# KiCad board Thermal_Camera.kicad_pcb (continued)
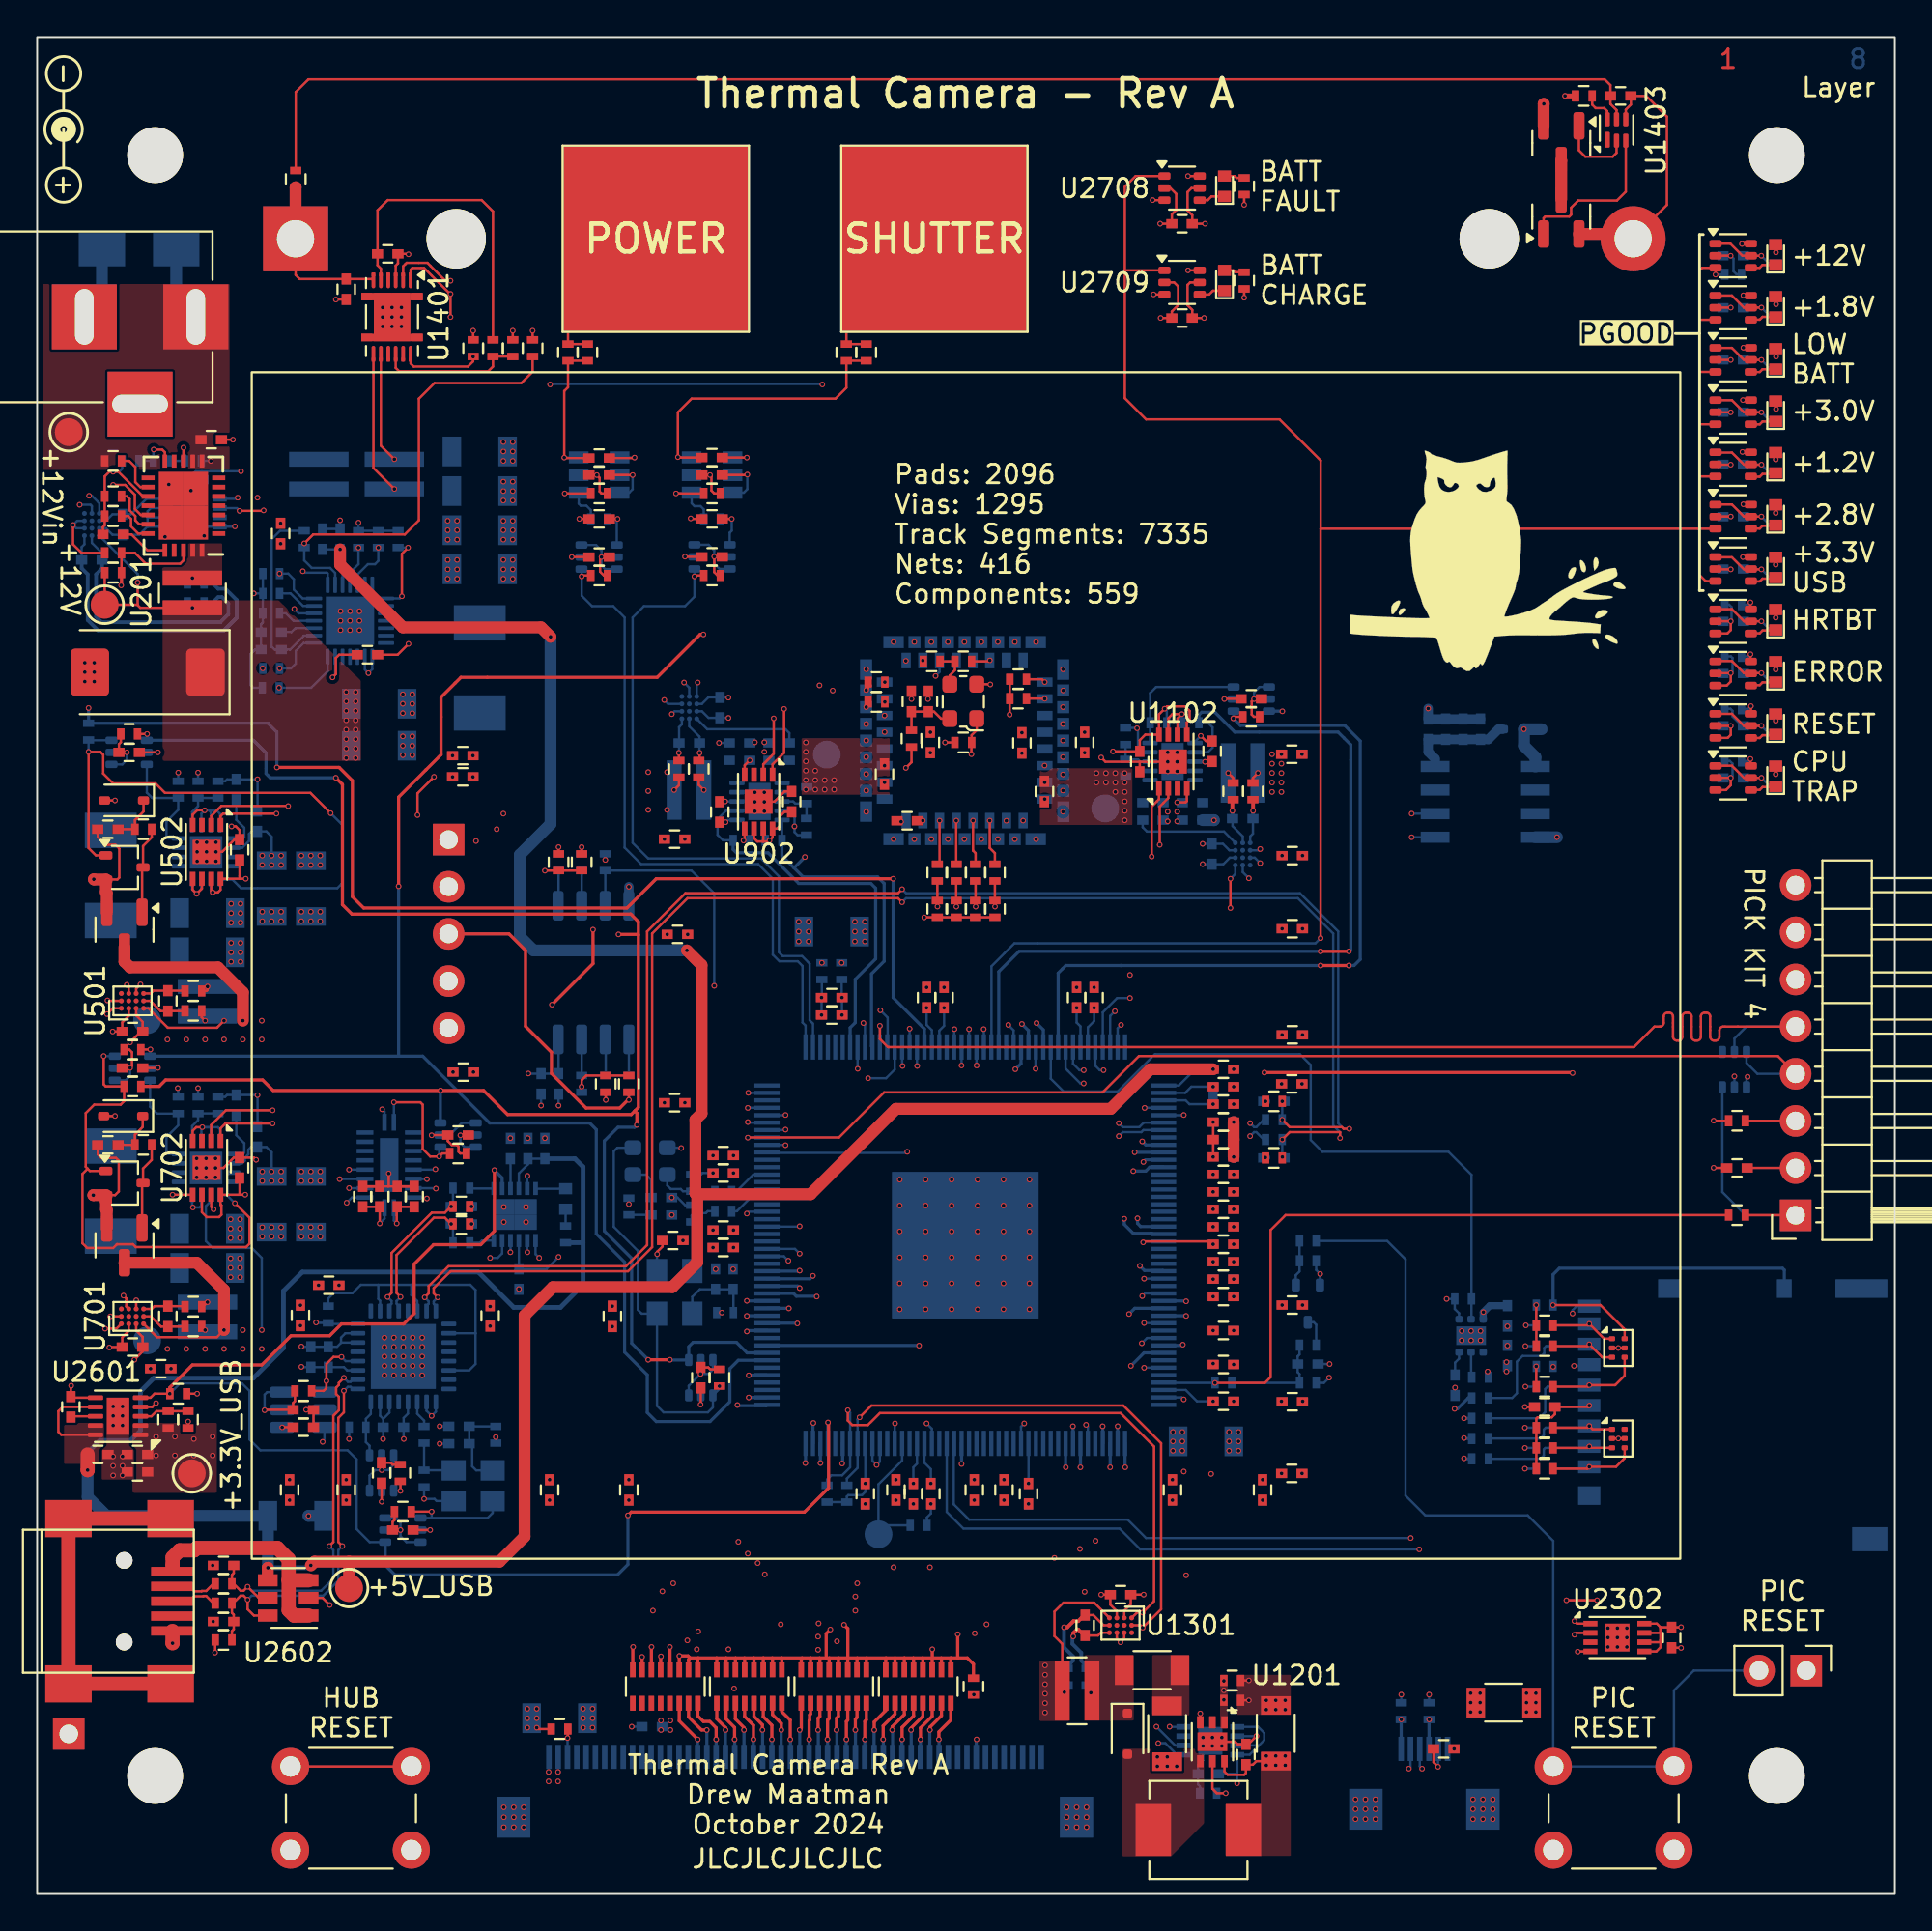
[diagram p0: board, top side]
## Placement (name value [footprint] x y rotation side) (continued)
R2008  10  [R_0402]  77.67 25.62 180 bottom  (not fitted)
R2009  10  [R_0402]  77.67 24.52 180 bottom  (not fitted)
R2010  10  [R_0402]  77.67 26.71 180 bottom  (not fitted)
R2011  10k  [R_0402]  81.15 28.41 0 bottom
R2012  10k  [R_0402]  81.15 31.71 0 bottom
R2013  10k  [R_0402]  81.15 30.62 0 top
R2014  10k  [R_0402]  81.15 29.5 0 top
R2015  10k  [R_0402]  81.15 27.32 0 top
R2016  10k  [R_0402]  81.15 25.11 0 top
R2017  10k  [R_0402]  81.15 24.02 0 top
R2018  10k  [R_0402]  29.31 43.62 90 bottom
R2019  10k  [R_0402]  81.15 22.9 0 top
R2020  10k  [R_0402]  30.58 55.56 270 bottom
R2021  10k  [R_0402]  29.31 55.56 90 top
R2022  10k  [R_0402]  31.85 43.62 270 top
R2023  10k  [R_0402]  30.61 43.62 270 top
R2024  10k  [R_0402]  28.07 55.56 90 top
R2025  10  [R_0402]  28.07 55.56 90 bottom
R2026  10  [R_0402]  30.61 43.62 270 bottom
R2027  10  [R_0402]  31.85 43.62 270 bottom
R2028  10  [R_0402]  29.31 55.56 90 bottom
R2029  10k  [R_0402]  76.76 32.04 180 bottom
R2030  10  [R_0402]  77.67 27.83 180 bottom
R2101  10k  [R_0402]  74.93 9.84 90 bottom
R2102  10k  [R_0402]  73.43 9.84 90 bottom
R2103  10k  [R_0402]  50.4 11.16 90 top
R2104  10k  [R_0402]  28.12 8.88 180 top
R2201  1k  [R_0402]  28.45 35.52 90 bottom
R2202  10k  [R_0402]  22.66 39.88 180 top
R2203  27  [R_0402]  22.83 35.06 0 bottom
R2204  27  [R_0402]  22.83 38.01 0 bottom
R2205  15k  [R_0402]  22.83 36.08 0 top
R2206  15k  [R_0402]  22.83 37.02 0 top
R2401  10k  [R_0402]  49.85 62.01 180 top
R2402  10k  [R_0402]  48.46 53.05 90 top
R2403  10k  [R_0402]  49.47 53.05 90 top
R2404  10k  [R_0402]  52.81 65.42 0 top
R2405  10k  [R_0402]  50.51 53.05 90 top
R2406  10k  [R_0402]  45.18 64.2 180 top
R2407  10k  [R_0402]  51.56 53.05 90 top
R2408  10k  [R_0402]  45.18 65.26 180 top
R2409  10k  [R_0402]  49.85 66.38 0 top
R2410  10  [R_0402]  51.56 55 270 top
R2411  10  [R_0402]  50.51 55 270 top
R2412  10  [R_0402]  49.47 55 270 top
R2413  10  [R_0402]  48.46 55 270 top
R2414  10  [R_0402]  52.81 64.38 180 top
R2415  10  [R_0402]  48.15 66.38 180 top
R2501  10  [R_0402]  20.83 24.73 90 bottom
R2502  10k  [R_0402]  20.83 22.36 270 bottom
R2503  10k  [R_0402]  19.69 20.59 180 top
R2504  10k  [R_0402]  14.33 27.09 0 top
R2505  10k  [R_0402]  19.55 22.67 90 top
R2506  10k  [R_0402]  17.25 25.13 180 bottom
R2507  10k  [R_0402]  15.67 31.2 90 bottom
R2601  10k  [R_0402]  7.59 26.94 180 top
R2602  27  [R_0402]  10.03 15.66 0 top
R2603  27  [R_0402]  10.03 16.7 0 top
R2604  3.57k  [R_0402]  7.05 25.54 90 top
R2605  1.15k  [R_0402]  8.12 25.54 270 top
R2606  1.5k  [R_0402]  10.03 13.68 0 top
R2701  10k  [R_0402]  91.3 87.23 0 bottom
R2702  1k  [R_0402]  93.58 88.28 90 bottom
R2703  1k  [R_0402]  93.58 85.48 90 bottom
R2704  1k  [R_0402]  93.58 82.67 90 bottom
R2705  1k  [R_0402]  93.58 79.85 90 bottom
R2706  1k  [R_0402]  93.58 77.08 90 bottom
R2707  1k  [R_0402]  93.58 74.26 90 bottom
R2708  1k  [R_0402]  93.58 71.44 90 bottom
R2709  1k  [R_0402]  64.97 91.97 90 top
R2710  1k  [R_0402]  64.97 86.89 90 top
R2801  10k  [R_0402]  91.3 69.43 180 bottom
R2802  10k  [R_0402]  91.3 66.65 180 bottom
R2803  1k  [R_0402]  93.58 68.62 90 bottom
R2804  1k  [R_0402]  93.58 65.82 90 bottom
R2805  10k  [R_0402]  91.3 63.83 0 bottom
R2806  10k  [R_0402]  91.3 61.02 180 bottom
R2807  1k  [R_0402]  93.58 63 90 bottom
R2808  1k  [R_0402]  93.58 60.19 90 bottom
R2901  1k  [R_0402]  44.63 83.02 270 top
R2902  1k  [R_0402]  43.56 83.02 270 top
R2903  1k  [R_0402]  29.62 83.02 270 top
R2904  1k  [R_0402]  28.58 83.02 270 top
R2905  10k  [R_0402]  36.33 75.43 0 top
R2906  10k  [R_0402]  30.25 75.43 0 top
R2907  10k  [R_0402]  36.33 74.05 180 bottom
R2908  10k  [R_0402]  30.25 74.05 180 bottom
R2909  10k  [R_0402]  36.33 71.01 0 top
R2910  10k  [R_0402]  30.25 71.01 0 top
REF**  -  [Symbol_Barrel_Polarity]  1.5 95.03 270 top
RN2101  10k  [R_Array_Convex_8x0602]  47.43 11.16 270 top
RN2102  10k  [R_Array_Convex_8x0602]  42.88 11.16 270 top
RN2103  10k  [R_Array_Convex_8x0602]  38.34 11.16 270 top
RN2104  10k  [R_Array_Convex_8x0602]  33.81 11.16 270 top
SW1501  MRST  [SW_PUSH_6mm]  88.11 2.36 180 top
SW2501  RESET  [SW_PUSH_6mm]  20.14 2.36 180 top
SW2901  Cap_Touch  [Capacitive_Touch_Pad]  48.3 89.14 0 top
SW2902  Cap_Touch  [Capacitive_Touch_Pad]  33.3 89.14 0 top
TH1401  10k  [R_0402]  25.6 83.25 90 top
TH1402  10k  [R_0402]  26.67 83.25 90 top
TP201  TP  [PinHeader_1x01_P2.54mm_Horizontal]  1.7 8.62 90 bottom
TP202  TP  [Test_Point]  1.7 78.73 270 top
TP203  TP  [Test_Point]  3.63 69.43 270 top
TP401  TP  [Test_Point]  5.92 47.05 180 bottom
TP601  TP  [Test_Point]  5.92 29.81 180 bottom
TP801  TP  [Test_Point]  42.51 61.36 180 bottom
TP1001  TP  [Test_Point]  57.5 58.46 0 bottom
TP1601  TP  [Test_Point]  45.29 19.37 270 bottom
TP2601  TP  [Test_Point]  8.32 22.65 180 top
TP2602  TP  [Test_Point]  16.79 16.47 90 top
U201  TPS26600RHFT  [QFN-24-1EP_4x5mm_Pitch0.5mm]  7.87 74.77 180 top
U301  INA231A  [Texas_DSBGA-12_1.65x1.39mm_Layout3x4_P0.4mm]  2.95 73.75 180 bottom
U302  MCP9804  [DFN-8-1EP_3x2mm_P0.5mm_EP1.3x1.5mm]  8.38 74.38 180 bottom
U401  74LVC1G97  [SOT-363_SC-70-6]  4.95 61.48 0 bottom
U402  TPS62130A  [QFN-16-1EP_3x3mm_P0.5mm_EP1.75x1.75mm]  9.09 56.1 0 bottom
U501  INA231A  [Texas_DSBGA-12_1.65x1.39mm_Layout3x4_P0.4mm]  5.13 48.1 90 top
U502  MCP9804  [DFN-8-1EP_3x2mm_P0.5mm_EP1.3x1.5mm]  9.12 56.12 270 top
U601  74LVC1G97  [SOT-363_SC-70-6]  5.13 44.47 0 bottom
U602  TPS62130A  [QFN-16-1EP_3x3mm_P0.5mm_EP1.75x1.75mm]  9.09 39.1 0 bottom
U701  INA231A  [Texas_DSBGA-12_1.65x1.39mm_Layout3x4_P0.4mm]  5.13 31.1 90 top
U702  MCP9804  [DFN-8-1EP_3x2mm_P0.5mm_EP1.3x1.5mm]  9.12 39.1 270 top
U801  TPS7A92  [Texas_S-PDSO-N10_EP1.2x2mm]  38.88 58.84 180 bottom
U901  INA231A  [Texas_DSBGA-12_1.65x1.39mm_Layout3x4_P0.4mm]  35.1 63.89 180 bottom
U902  MCP9804  [DFN-8-1EP_3x2mm_P0.5mm_EP1.3x1.5mm]  38.84 58.83 270 top
U1001  74LVC1G97  [SOT-363_SC-70-6]  65.35 64.35 180 bottom
U1002  TPS7A92  [Texas_S-PDSO-N10_EP1.2x2mm]  61.12 60.98 0 bottom
U1101  INA231A  [Texas_DSBGA-12_1.65x1.39mm_Layout3x4_P0.4mm]  64.9 56.01 0 bottom
U1102  MCP9804  [DFN-8-1EP_3x2mm_P0.5mm_EP1.3x1.5mm]  61.14 60.98 90 top
U1201  DIO5661CD6  [DFN-6-1EP_2x2mm_P0.65mm_EP1x1.6mm]  63.27 8.19 270 top
U1301  INA231A  [Texas_DSBGA-12_1.65x1.39mm_Layout3x4_P0.4mm]  58.32 14.47 270 top
U1302  MCP9804  [DFN-8-1EP_3x2mm_P0.5mm_EP1.3x1.5mm]  63.15 8.24 0 bottom
U1401  BQ27441DRZT-G1A  [Texas_S-PDSO-N12]  19.1 84.93 270 top
U1402  MAX8903G  [QFN-28-1EP_4x4mm_P0.4mm_EP2.6x2.6mm]  16.84 68.57 90 bottom
U1403  BQ29700  [WSON-6_1.5x1.5mm_P0.5mm]  85.02 95 90 top
U1601  74LVC1G97  [SOT-363_SC-70-6]  35.72 27.8 270 bottom
U1701  PIC32MZ2064DAR176  [LQFP-176_20x20mm_P0.4mm_7p9x7p9mm_EP]  49.96 34.94 270 bottom
U2001  SST25VF080B-50-4x-S2Ax  [SOIC-8_5.275x5.275mm_P1.27mm]  29.95 49.62 270 bottom
U2002  TPS22810DRV  [WSON-6-1EP_2x2mm_P0.65mm_EP1x1.6mm]  77.19 30.06 90 bottom
U2201  FT234XD  [DFN-12-1EP_3x3mm_Pitch0.45mm]  25.7 36.59 270 bottom
U2202  74LVC1G97  [SOT-363_SC-70-6]  22.66 40.87 180 bottom
U2203  FXMA108  [WQFN-20-1EP_2.5x4.5mm_P0.5mm_EP1x2.9mm]  18.95 39.26 0 bottom
U2301  DS1683  [SOIC-8_3.9x4.9mm_Pitch1.27mm]  77.95 58.81 180 bottom
U2302  MCP9804  [DFN-8-1EP_3x2mm_P0.5mm_EP1.3x1.5mm]  85.06 13.81 0 top
U2401  FLIR_Lepton3p5_Socket  [MOLEX_105028-1001]  49.93 62.11 180 bottom
U2501  74LVC1G97  [SOT-363_SC-70-6]  19.69 19.6 0 bottom
U2502  TPS3808G33  [SOT-23-6#2]  14.33 26.07 180 bottom
U2503  74LVC1G97  [SOT-363_SC-70-6]  18.54 22.67 270 bottom
U2504  TUSB2046BIRHBT  [VQFN-32-1EP_5x5mm_P0.5mm_EP3.5x3.5mm]  19.71 28.94 0 bottom
U2601  TPS7A92  [Texas_S-PDSO-N10_EP1.2x2mm]  4.35 25.72 180 top
U2602  TPD3S044DBVR  [SOT-23-6]  13.51 15.94 180 top
U2701  74LVC1G97  [SOT-363_SC-70-6]  91.3 88.23 0 top
U2702  74LVC1G97  [SOT-363_SC-70-6]  91.3 85.43 0 top
U2703  74LVC1G97  [SOT-363_SC-70-6]  91.3 82.62 0 top
U2704  74LVC1G97  [SOT-363_SC-70-6]  91.3 79.8 0 top
U2705  74LVC1G97  [SOT-363_SC-70-6]  91.3 76.99 0 top
U2706  74LVC1G97  [SOT-363_SC-70-6]  91.3 74.17 0 top
U2707  74LVC1G97  [SOT-363_SC-70-6]  91.3 71.35 0 top
U2708  74LVC1G97  [SOT-363_SC-70-6]  61.63 91.87 0 top
U2709  74LVC1G97  [SOT-363_SC-70-6]  61.63 86.79 0 top
U2801  74LVC1G97  [SOT-363_SC-70-6]  91.3 68.53 0 top
U2802  74LVC1G97  [SOT-363_SC-70-6]  91.3 65.73 0 top
U2803  74LVC1G97  [SOT-363_SC-70-6]  91.3 62.91 0 top
U2804  74LVC1G97  [SOT-363_SC-70-6]  91.3 60.1 0 top
U2901  AT42QT1010-TSHR  [SOT-23-6]  36.33 76.42 0 bottom
U2902  AT42QT1010-TSHR  [SOT-23-6]  30.25 76.42 0 bottom
U2903  74LVC1G97  [SOT-363_SC-70-6]  36.33 72.01 180 bottom
U2904  74LVC1G97  [SOT-363_SC-70-6]  30.25 72 180 bottom
X1601  ECS-2520MV-240-BN  [Oscillator_SMD_ECS_2520MV-xxx-xx-4Pin_2.5x2.0mm]  32.99 39.46 270 bottom
X1602  -  [ECS-327KE]  34.32 32.4 90 bottom
X2401  ECS-2520MV-250-CN  [Oscillator_SMD_ECS_2520MV-xxx-xx-4Pin_2.5x2.0mm]  49.85 64.22 180 top
X2501  ASE-48.000MHz  [Oscillator_SMD_Abracon_ASE-4Pin_3.2x2.5mm]  23.47 21.98 180 bottom

## Library data of the parts
C201 C405 C605 C1707-C1712 C1720-C1725 C1733-C1738 C1745-C1750 C1756-C1760 C1762 C1764 C3101-C3133 = -: display_footprint: 0402; Voltage: 50V; Dielectric: X5R; Digi-Key PN: 445-12201-1-ND; ki_fp_filters: C_*
C202 C1405 C1407 C1414 C1601 C2403-C2405 C2502 C2701-C2709 C2801-C2804 C2903 C2904 C2907 C2908 = -: Digi-Key PN: 490-10697-1-ND; display_footprint: 0402; Voltage: 50V; Dielectric: X5R; ki_fp_filters: C_*
C203 = -: Digi-Key PN: 718-1102-1-ND; display_footprint: 7343; Voltage: 16V; Tolerance: 10%; ki_fp_filters: CP_*
C301-C303 C501-C503 C701-C703 C901-C903 C1101-C1103 C1301-C1303 C2305 = -: display_footprint: 0402; Voltage: 50V; Dielectric: X5R; Configuration: Telemetry; Digi-Key PN: 490-10697-1-ND; ki_fp_filters: C_*
C401 C406 C601 C606 C803 C1001 C1004 C1501 C1502 C1602 C1603 C1701-C1706 C1713-C1718 C1727-C1732 C1739-C1744 C1751-C1755 C1761 C1763 C2001 C2003 C2006 C2101 C2103 C2201-C2204 C2207 C2210 C2401 C2501 C2503 C2504 C2506 C2507 C2509 C2602 = -: display_footprint: 0402; Voltage: 50V; Dielectric: X5R; Digi-Key PN: 490-10697-1-ND; ki_fp_filters: C_*
C402 C404 C407 C408 C602 C604 C607 C608 C1201 C1203 C1204 C1402 C1404 C1409 C1410 C1412 C1413 C1765 C1766 C2102 C2104 C2607 = -: display_footprint: 1206; Voltage: 25V; Dielectric: X5R; Digi-Key PN: 399-8153-1-ND; ki_fp_filters: C_*
C403 C603 C801 C802 C804 C805 C1002 C1003 C1005 C1006 C1403 C1406 C1604 C1605 C2002 C2004 C2005 C2007 C2205 C2206 C2211 C2402 C2505 C2508 C2601 C2603 C2605 = -: display_footprint: 0402; Voltage: 10V; Dielectric: X5R; Digi-Key PN: 490-GRM155R61A106ME11DCT-ND; ki_fp_filters: C_*
C1202 C1401 C1408 C1411 = -: display_footprint: 0402; Voltage: 10V; Dielectric: X5R; Digi-Key PN: 311-1439-1-ND; ki_fp_filters: C_*
C1719 C1726 C2208 C2209 = -: display_footprint: 0402; Voltage: 50V; Dielectric: NP0; Digi-Key PN: 490-5942-1-ND; ki_fp_filters: C_*
C2301-C2303 = -: Digi-Key PN: 490-GRM155R61A106ME11DCT-ND; display_footprint: 0402; Voltage: 10V; Dielectric: X5R; Configuration: ETC; ki_fp_filters: C_*
C2304 = -: display_footprint: 0402; Voltage: 50V; Dielectric: X5R; Digi-Key PN: 490-10697-1-ND; Configuration: ETC; ki_fp_filters: C_*
C2604 C2606 = -: display_footprint: 0402; Voltage: 50V; Dielectric: NP0; Digi-Key PN: 490-5868-1-ND; ki_fp_filters: C_*
C2901 C2902 = -: Digi-Key PN: 445-12201-1-ND; display_footprint: 0402; Voltage: 50V; Dielectric: X5R; ki_fp_filters: C_*
C2905 C2906 = -: Digi-Key PN: 490-GRM155R61A106ME11DCT-ND; display_footprint: 0402; Voltage: 10V; Dielectric: X5R; ki_fp_filters: C_*
D201 = -: Digi-Key PN: SMAJ24CALFCT-ND; Configuration: DNP; ki_fp_filters: TO-???* *_Diode_* *SingleDiode* D_*
D401 D601 = -: Datasheet: www.st.com/resource/en/datasheet/bat48.pdf; Digi-Key PN: 497-5711-1-ND; ki_fp_filters: D*SOD?323*
D1201 = -: Datasheet: https://assets.nexperia.com/documents/data-sheet/PMEG6010CEH_PMEG6010CEJ.pdf; Digi-Key PN: 1727-3882-1-ND; ki_fp_filters: D*SOD?323F*
D1501 = -: Datasheet: https://assets.nexperia.com/documents/data-sheet/PESDXL5UF_V_Y.pdf; Digi-Key PN: 1727-3828-1-ND; ki_fp_filters: SOT?363*
D2001 D2002 = -: Datasheet: https://assets.nexperia.com/documents/data-sheet/PESDXL4UF_G_W.pdf; ki_fp_filters: SOT?886*
D2201 = -: Digi-Key PN: VLMY1500-GS08CT-ND; ki_fp_filters: LED* LED_SMD:* LED_THT:*
D2301 = -: Datasheet: www.st.com/resource/en/datasheet/bat48.pdf; Configuration: ETC; Digi-Key PN: 497-5711-1-ND; ki_fp_filters: D*SOD?323*
D2701 D2702 D2704-D2707 D2709 D2801 = -: Digi-Key PN: 1497-1219-1-ND; ki_fp_filters: LED* LED_SMD:* LED_THT:*
D2703 D2708 D2802-D2804 = -: Digi-Key PN: VLMS1500-GS08CT-ND; ki_fp_filters: LED* LED_SMD:* LED_THT:*
H3001-H3004 = -: ki_fp_filters: MountingHole*
J201 = -: ki_fp_filters: BarrelJack*
J1401 = -: Digi-Key PN: BK-18650-PC2-ND
J1501 = -: ki_fp_filters: Connector*:*_1x??_*
J1502 = -: ki_fp_filters: Connector*:*_2x??_*
J2001 = -: Datasheet: https://www.hirose.com/product/en/download_file/key_name/DM3/category/Catalog/doc_file_id/49662/?file_category_id=4&item_id=195&is_series=1; Digi-Key PN: HR1964CT-ND; ki_fp_filters: microSD*
J2002 = -: Description: Generic connector, single row, 01x05, script generated (kicad-library-utils/schlib/autogen/connector/); ki_fp_filters: Connector*:*_1x??_*
J2101 = -: Description: "Generic connector, single row, 01x54, script generated"; Digi-Key PN: 2073-FFC2B35-54-GCT-ND; ki_fp_filters: Connector*:*_1x??_*
J2102 = -: Digi-Key PN: 2073-FFC2B35-06-GCT-ND; ki_fp_filters: Connector*:*_1x??_*
J2601 = -: Digi-Key PN: 732-2109-1-ND; ki_fp_filters: USB*
L401 L601 = -: display_footprint: IHLP2020; Ampacity: 6.7A; Tolerance: 20%; Digi-Key PN: 541-1236-1-ND; ki_fp_filters: Choke_* *Coil* Inductor_* L_*
L1201 = -: display_footprint: IHLP2020; Ampacity: 1.9A; Tolerance: 20%; Digi-Key PN: 541-1243-1-ND; ki_fp_filters: Choke_* *Coil* Inductor_* L_*
L1401 = -: display_footprint: IHLP2020; Ampacity: 3.2A; Tolerance: 20%; Digi-Key PN: 541-1222-1-ND; ki_fp_filters: Choke_* *Coil* Inductor_* L_*
L1501 L1502 L1601 L1602 L1701 L1702 L2401 L2501 = -: ki_fp_filters: Inductor_* L_* *Ferrite*
N2101 = -: Digi-Key PN: GLT035320240IS1-CTP; ki_fp_filters: Enclosure* Housing*
Q401 Q601 Q1501 = -: Datasheet: https://www.infineon.com/dgdl/Infineon-BSS214NW-DS-v02_02-en.pdf?fileId=db3a30431b3e89eb011b695aebc01bde; Digi-Key PN: BSS214NWH6327XTSA1CT-ND; ki_fp_filters: SOT?323*
Q402 Q602 = -: Datasheet: https://www.diodes.com/assets/Datasheets/ZXMS6004FF.pdf; Digi-Key PN: ZXMS6004FFCT-ND; ki_fp_filters: SOT?23*
Q1401 Q1402 = -: Datasheet: http://www.diodes.com/assets/Datasheets/DMN3042L.pdf; Description: 5.8A Id, 30V Vds, N-Channel MOSFET, SOT-23; Digi-Key PN: DMN3042L-7DICT-ND; ki_fp_filters: SOT?23*
R201 = -: display_footprint: 0402; Tolerance: 1%; Wattage: 1/16W; Digi-Key PN: RMCF0402FT51K1CT-ND
R202 R209 R409 R807 R2605 = -: display_footprint: 0402; Tolerance: 1%; Wattage: 1/16W; Digi-Key PN: RMCF0402FT1K15CT-ND
R203 R208 = -: display_footprint: 0402; Tolerance: 1%; Wattage: 1/16W; Digi-Key PN: RMCF0402FT5K11CT-ND
R204 R206 R211 R402-R404 R602-R604 R801 R802 R1001-R1003 R1201 R1401 R1403 R1407 R1410 R1502 R1504 R1601-R1604 R1801 R1802 R2011-R2024 R2029 R2101-R2104 R2202 R2401-R2409 R2502-R2507 R2601 R2701 R2801 R2802 R2805 R2806 R2905-R2910 = -: display_footprint: 0402; Tolerance: 1%; Wattage: 1/16W; Digi-Key PN: RMCF0402FT10K0CT-ND
R205 R210 R405 R407 R605 R607 R803 R805 R1004 R1006 R1204 R1206 = -: display_footprint: 0402; Tolerance: 1%; Wattage: 1/16W; Digi-Key PN: RMCF0402FT10R0CT-ND; Configuration: Telemetry
R207 R406 R606 R804 R1005 R1205 R1412 R1413 = -: Digi-Key PN: P16010CT-ND; display_footprint: 0612; Tolerance: 1%; Wattage: 1W
R401 R601 R1202 R1203 R1501 R1503 R1605 R1606 R2001-R2006 R2025-R2028 R2030 R2410-R2415 R2501 = -: display_footprint: 0402; Tolerance: 1%; Wattage: 1/16W; Digi-Key PN: RMCF0402FT10R0CT-ND
R408 = -: display_footprint: 0402; Tolerance: 1%; Wattage: 1/16W; Digi-Key PN: RMCF0402FT3K16CT-ND
R608 = -: display_footprint: 0402; Tolerance: 1%; Wattage: 1/16W; Digi-Key PN: RMCF0402FT1K87CT-ND
R609 R2606 = -: display_footprint: 0402; Tolerance: 1%; Wattage: 1/16W; Digi-Key PN: RMCF0402FT1K50CT-ND
R806 = -: display_footprint: 0402; Tolerance: 1%; Wattage: 1/16W; Digi-Key PN: RMCF0402FT2K87CT-ND
R1007 R1406 = -: display_footprint: 0402; Tolerance: 1%; Wattage: 1/16W; Digi-Key PN: RMCF0402FT5K90CT-ND
R1008 = -: display_footprint: 0402; Tolerance: 1%; Wattage: 1/16W; Digi-Key PN: RMCF0402FT11K8CT-ND
R1402 = -: display_footprint: 0402; Tolerance: 1%; Wattage: 1/16W; Digi-Key PN: RMCF0402FT1M80CT-ND
R1404 R1405 R1408 R1409 = -: display_footprint: 0402; Tolerance: 1%; Wattage: 1/16W; Digi-Key PN: RMCF0402FT100KCT-ND
R1411 = -: display_footprint: 0402; Tolerance: 1%; Wattage: 1/16W; Digi-Key PN: RMCF0402FT1K20CT-ND
R1414 = -: display_footprint: 0402; Tolerance: 1%; Wattage: 1/16W; Digi-Key PN: RMCF0402FT2K20CT-ND
R1415 = -: display_footprint: 0402; Tolerance: 1%; Wattage: 1/16W; Digi-Key PN: RMCF0402FT330RCT-ND
R1505 R2201 R2702-R2710 R2803 R2804 R2807 R2808 R2901-R2904 = -: display_footprint: 0402; Tolerance: 1%; Wattage: 1/16W; Digi-Key PN: RMCF0402FT1K00CT-ND
R1701 R1702 R2203 R2204 R2602 R2603 = -: display_footprint: 0402; Tolerance: 1%; Wattage: 1/16W; Digi-Key PN: RMCF0402FT27R0CT-ND
R1703 R1704 R2205 R2206 = -: display_footprint: 0402; Tolerance: 1%; Wattage: 1/16W; Digi-Key PN: RMCF0402FT15K0CT-ND
R2007-R2010 = -: display_footprint: 0402; Tolerance: 1%; Wattage: 1/16W; Digi-Key PN: RMCF0402FT10R0CT-ND; Configuration: DNP
R2604 = -: display_footprint: 0402; Tolerance: 1%; Wattage: 1/16W; Digi-Key PN: RMCF0402FT3K57CT-ND
RN2101-RN2104 = -: Digi-Key PN: Y1103CT-ND; Tolerance: 1%; ki_fp_filters: DIP* SOIC* R*Array*Concave* R*Array*Convex*
TH1401 TH1402 = -: Description: Temperature dependent resistor, negative temperature coefficient; Digi-Key PN: 445-174911-1-ND; display_footprint: 0402; ki_fp_filters: *NTC* *Thermistor* PIN?ARRAY* bornier* *Terminal?Block* R_*
U201 = -: Datasheet: http://www.ti.com/lit/ds/symlink/tps2660.pdf; Digi-Key PN: 296-45478-1-ND
U301 U501 U701 U901 U1101 U1301 = -: Datasheet: http://www.ti.com/lit/ds/symlink/ina231.pdf; Digi-Key PN: 296-41263-1-ND
U302 U502 U702 U902 U1102 U1302 U2302 = -: Datasheet: http://ww1.microchip.com/downloads/en/DeviceDoc/22203b.pdf; Digi-Key PN: MCP9804T-E/MCCT-ND; Configuration: Telemetry; ki_fp_filters: DFN*1EP*3x2mm*P0.5mm*
U401 U601 U1001 U1601 U2202 U2501 U2503 U2701-U2707 U2801-U2804 U2903 U2904 = -: Datasheet: http://www.ti.com/lit/ds/symlink/sn74lvc1g97.pdf; Digi-Key PN: 296-15582-1-ND; ki_fp_filters: SOT* SG-*
U402 U602 = -: Datasheet: http://www.ti.com/lit/ds/symlink/tps62130.pdf; Digi-Key PN: 296-39446-1-ND
U801 U1002 U2601 = -: Datasheet: http://www.ti.com/lit/ds/symlink/tps7a91.pdf; Digi-Key PN: TPS7A9201DSKR; ki_fp_filters: Texas*S*PDSO*
U1201 = -: Datasheet: http://www.dioo.com/uploads/product/20190311/e6c7f30c0fbe92fbfa6965c8ef1c5b19.pdf; ki_fp_filters: DFN*1EP*2x2mm*P0.65mm*
U1401 = -: Datasheet: http://www.ti.com/lit/ds/symlink/bq27441-g1.pdf; Digi-Key PN: 296-37271-1-ND; ki_fp_filters: *PDSO*N12*
U1402 = -: Datasheet: https://www.analog.com/media/en/technical-documentation/data-sheets/MAX8903-MAX8903Y.pdf; Digi-Key PN: MAX8903GETI+-ND
U1403 = -: Datasheet: http://www.ti.com/lit/ds/symlink/bq2970.pdf; Digi-Key PN: 296-43985-1-ND; ki_fp_filters: WSON*1.5x1.5mm*P0.5mm*
U1701 = -: Datasheet: https://ww1.microchip.com/downloads/aemDocuments/documents/MCU32/ProductDocuments/DataSheets/PIC32MZ-Graphics-%28DAK-DAL-DAR-DAS%29-Family-Datasheet-DS60001565D.pdf; Digi-Key PN: PIC32MZ2064DAR176-I/2J-ND
U2001 = -: Datasheet: http://ww1.microchip.com/downloads/en/DeviceDoc/20005045C.pdf; Digi-Key PN: SST25VF080B-50-4C-S2AF-ND; ki_fp_filters: SOIC*5.275x5.275mm*P1.27mm*
U2002 = -: Datasheet: http://www.ti.com/lit/ds/symlink/tps22810.pdf; Digi-Key PN: 296-47868-1-ND; ki_fp_filters: WSON*1EP*2x2mm*P0.65mm*
U2201 = -: Datasheet: http://www.ftdichip.com/Support/Documents/DataSheets/ICs/DS_FT234XD.pdf; Digi-Key PN: 768-1178-1-ND
U2203 = -: Datasheet: http://www.onsemi.com/pub/Collateral/FXMA108-D.pdf; Digi-Key PN: FXMA108BQX; ki_fp_filters: WQFN*1EP*2.5x4.5mm*P0.5mm*
U2301 = -: Datasheet: https://datasheets.maximintegrated.com/en/ds/DS1683.pdf; Digi-Key PN: DS1683S+-ND; Configuration: ETC
U2401 = -: Datasheet: https://www.flir.com/globalassets/imported-assets/document/flir-lepton-engineering-datasheet.pdf; Digi-Key PN: 1050281001
U2502 = -: Datasheet: http://www.ti.com/lit/ds/symlink/tps3808.pdf; Digi-Key PN: 296-17195-1-ND; ki_fp_filters: SOT?23*
U2504 = -: Datasheet: https://www.ti.com/lit/ds/symlink/tusb2046b.pdf?HQS=dis-dk-null-digikeymode-dsf-pf-null-wwe&ts=1691607490658&ref_url=https%253A%252F%252Fwww.ti.com%252Fgeneral%252Fdocs%252Fsuppproductinfo.tsp%253FdistId%253D10%2526gotoUrl%253Dhttps%253A%252F%252Fwww.ti.com%252Flit%252Fgpn%252Ftusb2046b; Digi-Key PN: 296-27130-1-ND
U2602 = -: Datasheet: http://www.ti.com/lit/ds/symlink/tpd3s014.pdf; Digi-Key PN: 296-38836-1-ND
U2708 U2709 = -: Datasheet: http://www.ti.com/lit/ds/symlink/sn74lvc1g97.pdf; Description: Single AND Gate, Low-Voltage CMOS; ki_fp_filters: SOT* SG-*
U2901 U2902 = -: Datasheet: http://ww1.microchip.com/downloads/en/DeviceDoc/Atmel-9541-AT42-QTouch-BSW-AT42QT1010_Datasheet.pdf; Digi-Key PN: AT42QT1010-TSHRCT-ND; ki_fp_filters: SOT?23*
X1601 = -: Datasheet: https://www.ecsxtal.com/store/pdf/ECS-2520MV.pdf; Digi-Key PN: XC2750CT-ND; ki_fp_filters: Oscillator*SMD*ECS*2520MV*2.5x2.0mm*
X1602 = -: Digi-Key PN: XC1751CT-ND
X2401 = -: Datasheet: https://www.ecsxtal.com/store/pdf/ECS-2520MV.pdf; Digi-Key PN: XC2752CT-ND; ki_fp_filters: Oscillator*SMD*ECS*2520MV*2.5x2.0mm*
X2501 = -: Datasheet: http://www.abracon.com/Oscillators/ASV.pdf; Digi-Key PN: 535-ASE-48.000MHZ-L-C-TCT-ND; ki_fp_filters: Oscillator*SMD*Abracon*ASE*3.2x2.5mm*

## Footprints (pads in the part's own frame, mm; a bottom-side part is the same pattern mirrored in y, then rotated)
BARREL_JACK
  rect 3.5x3.5 hole 1x3: 1(0,0) 2(-6,0)
  rect 3.5x3.5 hole 3x1: 3(-3,-4.7)
BatteryHolder_MPD_BH-18650-PC2
  round 3.2 hole 3.2 unplated: (8.645,0) (64.255,0)
  rect 3.5x3.5 hole 2: 1(0,0)
  round 3.5 hole 2: 2(72,0)
C_0402
  rect 0.6x0.5 smd: 1(-0.55,0) 2(0.55,0)
C_1206
  rect 1x1.6 smd: 1(-1.5,0) 2(1.5,0)
Capacitive_Touch_Pad
  rect 10x10 smd: 1(0,0)
CP_EIA-7343-43_Kemet-X
  rrect 2.075x2.55 smd: 1(-3.112,0) 2(3.112,0)
D_SMA
  rect 2.5x1.8 smd: 1(-2,0) 2(2,0)
D_SOD-323
  rrect 0.6x0.45 smd: 1(-1.05,0) 2(1.05,0)
D_SOD-323F
  rrect 0.5x0.5 smd: 1(-1.1,0) 2(1.1,0)
DFN-6-1EP_2x2mm_P0.65mm_EP1x1.6mm
  rect 0.82x0.63 smd: (0,0.4) (0,-0.4)
  rect 0.65x0.35 smd: 1(-1.05,0.65) 2(-1.05,0) 3(-1.05,-0.65) 4(1.05,-0.65) 5(1.05,0) 6(1.05,0.65)
  rect 1x1.6 smd: 7(0,0)
DFN-8-1EP_3x2mm_P0.5mm_EP1.3x1.5mm
  rect 0.5x0.6 smd: (-0.325,0.375) (-0.325,-0.375) (0.325,0.375) (0.325,-0.375)
  rect 0.75x0.3 smd: 1(-1.45,0.75) 2(-1.45,0.25) 3(-1.45,-0.25) 4(-1.45,-0.75) 5(1.45,-0.75) 6(1.45,-0.25) 7(1.45,0.25) 8(1.45,0.75)
  rect 1.3x1.5 smd: 9(0,0)
DFN-12-1EP_3x3mm_Pitch0.45mm
  rect 0.7x0.25 smd: 1(-1.4,1.125) 2(-1.4,0.675) 3(-1.4,0.225) 4(-1.4,-0.225) 5(-1.4,-0.675) 6(-1.4,-1.125) 7(1.4,-1.125) 8(1.4,-0.675) 9(1.4,-0.225) 10(1.4,0.225) 11(1.4,0.675) 12(1.4,1.125)
  rect 0.83x1.19 smd: 13(-0.415,-0.595) 13(-0.415,0.595) 13(0.415,-0.595) 13(0.415,0.595)
ECS-327KE
  rect 1.3x1.1 smd: 1(-1.15,-0.95) 2(1.15,-0.95) 3(1.15,0.95) 4(-1.15,0.95)
GCT_FFC2B35-06-G_REVA2
  rect 0.3x1.3 smd: 1(-1.25,3.25) 2(-0.75,3.25) 3(-0.25,3.25) 4(0.25,3.25) 5(0.75,3.25) 6(1.25,3.25)
  rect 1.8x2.2 smd: S1(-3.15,0) S2(3.15,0)
GCT_FFC2B35-54-G_REVA2
  rect 0.3x1.3 smd: 1(-13.25,3.25) 2(-12.75,3.25) 3(-12.25,3.25) 4(-11.75,3.25) 5(-11.25,3.25) 6(-10.75,3.25) 7(-10.25,3.25) 8(-9.75,3.25) 9(-9.25,3.25) 10(-8.75,3.25) 11(-8.25,3.25) 12(-7.75,3.25) 13(-7.25,3.25) 14(-6.75,3.25) 15(-6.25,3.25) 16(-5.75,3.25) 17(-5.25,3.25) 18(-4.75,3.25) 19(-4.25,3.25) 20(-3.75,3.25) 21(-3.25,3.25) 22(-2.75,3.25) 23(-2.25,3.25) 24(-1.75,3.25) 25(-1.25,3.25) 26(-0.75,3.25) 27(-0.25,3.25) 28(0.25,3.25) 29(0.75,3.25) 30(1.25,3.25) 31(1.75,3.25) 32(2.25,3.25) 33(2.75,3.25) 34(3.25,3.25) 35(3.75,3.25) 36(4.25,3.25) 37(4.75,3.25) 38(5.25,3.25) 39(5.75,3.25) 40(6.25,3.25) 41(6.75,3.25) 42(7.25,3.25) 43(7.75,3.25) 44(8.25,3.25) 45(8.75,3.25) 46(9.25,3.25) 47(9.75,3.25) 48(10.25,3.25) 49(10.75,3.25) 50(11.25,3.25) 51(11.75,3.25) 52(12.25,3.25) 53(12.75,3.25) 54(13.25,3.25)
  rect 1.8x2.2 smd: S1(-15.15,0) S2(15.15,0)
Hirose_DM3AT-SF-PEJM5
  rect 0.7x1.2 smd: 1(0,0.6) 2(-1.1,0.6) 3(-2.2,0.6) 4(-3.3,0.6) 5(-4.4,0.6) 6(-5.5,0.6) 7(-6.6,0.6) 8(-7.7,0.6) 9(-8.65,0.6)
  rect 1x0.8 smd: 10(-9.6,-9.9)
  rect 1x2.8 smd: 11(-9.6,-14.05)
  rect 1x1.2 smd: 11(-9.6,-3.7) 11(1.55,0.6)
  rect 1.3x1.9 smd: 11(3.9,-14.5)
L_0402
  rect 0.4x0.6 smd: 1(-0.45,0) 2(0.45,0)
L_Vishay_IHLP-2020
  rect 1.903x2.79 smd: 1(-2.426,0) 2(2.426,0)
LED_0402
  rect 0.6x0.7 smd: 1(-0.55,0) 2(0.55,0)
LQFP-176_20x20mm_P0.4mm_7p9x7p9mm_EP
  rect 1.359x0.229 smd: 1(-10.674,8.6) 2(-10.674,8.2) 3(-10.674,7.8) 4(-10.674,7.4) 5(-10.674,7) 6(-10.674,6.6) 7(-10.674,6.2) 8(-10.674,5.8) 9(-10.674,5.4) 10(-10.674,5) 11(-10.674,4.6) 12(-10.674,4.2) 13(-10.674,3.8) 14(-10.674,3.4) 15(-10.674,3) 16(-10.674,2.6) 17(-10.674,2.2) 18(-10.674,1.8) 19(-10.674,1.4) 20(-10.674,1) 21(-10.674,0.6) 22(-10.674,0.2) 23(-10.674,-0.2) 24(-10.674,-0.6) 25(-10.674,-1) 26(-10.674,-1.4) 27(-10.674,-1.8) 28(-10.674,-2.2) 29(-10.674,-2.6) 30(-10.674,-3) 31(-10.674,-3.4) 32(-10.674,-3.8) 33(-10.674,-4.2) 34(-10.674,-4.6) 35(-10.674,-5) 36(-10.674,-5.4) 37(-10.674,-5.8) 38(-10.674,-6.2) 39(-10.674,-6.6) 40(-10.674,-7) 41(-10.674,-7.4) 42(-10.674,-7.8) 43(-10.674,-8.2) 44(-10.674,-8.6) 89(10.674,-8.6) 90(10.674,-8.2) 91(10.674,-7.8) 92(10.674,-7.4) 93(10.674,-7) 94(10.674,-6.6) 95(10.674,-6.2) 96(10.674,-5.8) 97(10.674,-5.4) 98(10.674,-5) 99(10.674,-4.6) 100(10.674,-4.2) 101(10.674,-3.8) 102(10.674,-3.4) 103(10.674,-3) 104(10.674,-2.6) 105(10.674,-2.2) 106(10.674,-1.8) 107(10.674,-1.4) 108(10.674,-1) 109(10.674,-0.6) 110(10.674,-0.2) 111(10.674,0.2) 112(10.674,0.6) 113(10.674,1) 114(10.674,1.4) 115(10.674,1.8) 116(10.674,2.2) 117(10.674,2.6) 118(10.674,3) 119(10.674,3.4) 120(10.674,3.8) 121(10.674,4.2) 122(10.674,4.6) 123(10.674,5) 124(10.674,5.4) 125(10.674,5.8) 126(10.674,6.2) 127(10.674,6.6) 128(10.674,7) 129(10.674,7.4) 130(10.674,7.8) 131(10.674,8.2) 132(10.674,8.6)
  rect 0.229x1.359 smd: 45(-8.6,-10.674) 46(-8.2,-10.674) 47(-7.8,-10.674) 48(-7.4,-10.674) 49(-7,-10.674) 50(-6.6,-10.674) 51(-6.2,-10.674) 52(-5.8,-10.674) 53(-5.4,-10.674) 54(-5,-10.674) 55(-4.6,-10.674) 56(-4.2,-10.674) 57(-3.8,-10.674) 58(-3.4,-10.674) 59(-3,-10.674) 60(-2.6,-10.674) 61(-2.2,-10.674) 62(-1.8,-10.674) 63(-1.4,-10.674) 64(-1,-10.674) 65(-0.6,-10.674) 66(-0.2,-10.674) 67(0.2,-10.674) 68(0.6,-10.674) 69(1,-10.674) 70(1.4,-10.674) 71(1.8,-10.674) 72(2.2,-10.674) 73(2.6,-10.674) 74(3,-10.674) 75(3.4,-10.674) 76(3.8,-10.674) 77(4.2,-10.674) 78(4.6,-10.674) 79(5,-10.674) 80(5.4,-10.674) 81(5.8,-10.674) 82(6.2,-10.674) 83(6.6,-10.674) 84(7,-10.674) 85(7.4,-10.674) 86(7.8,-10.674) 87(8.2,-10.674) 88(8.6,-10.674) 133(8.6,10.674) 134(8.2,10.674) 135(7.8,10.674) 136(7.4,10.674) 137(7,10.674) 138(6.6,10.674) 139(6.2,10.674) 140(5.8,10.674) 141(5.4,10.674) 142(5,10.674) 143(4.6,10.674) 144(4.2,10.674) 145(3.8,10.674) 146(3.4,10.674) 147(3,10.674) 148(2.6,10.674) 149(2.2,10.674) 150(1.8,10.674) 151(1.4,10.674) 152(1,10.674) 153(0.6,10.674) 154(0.2,10.674) 155(-0.2,10.674) 156(-0.6,10.674) 157(-1,10.674) 158(-1.4,10.674) 159(-1.8,10.674) 160(-2.2,10.674) 161(-2.6,10.674) 162(-3,10.674) 163(-3.4,10.674) 164(-3.8,10.674) 165(-4.2,10.674) 166(-4.6,10.674) 167(-5,10.674) 168(-5.4,10.674) 169(-5.8,10.674) 170(-6.2,10.674) 171(-6.6,10.674) 172(-7,10.674) 173(-7.4,10.674) 174(-7.8,10.674) 175(-8.2,10.674) 176(-8.6,10.674)
  rect 7.9x7.9 smd: 177(0,0)
MOLEX_105028-1001
  rect 0.84x0.5 smd: 1(-4.31,3.15) 2(-4.31,2.25) 3(-4.31,1.35) 4(-4.31,0.45) 5(-4.31,-0.45) 6(-4.31,-1.35) 7(-4.31,-2.25) 8(-4.31,-3.15) 17(4.31,-3.15) 18(4.31,-2.25) 19(4.31,-1.35) 20(4.31,-0.45) 21(4.31,0.45) 22(4.31,1.35) 23(4.31,2.25) 24(4.31,3.15)
  rect 0.5x0.84 smd: 9(-3.15,-4.31) 10(-2.25,-4.31) 11(-1.35,-4.31) 12(-0.45,-4.31) 13(0.45,-4.31) 14(1.35,-4.31) 15(2.25,-4.31) 16(3.15,-4.31) 25(3.15,4.31) 26(2.25,4.31) 27(1.35,4.31) 28(0.45,4.31) 29(-0.45,4.31) 30(-1.35,4.31) 31(-2.25,4.31) 32(-3.15,4.31)
  rect 0.65x1.1 smd: P1(-5.305,3.825) P9(-5.305,-3.825) P19(5.305,-3.825) P27(5.305,3.825)
  rect 0.65x0.65 smd: P2(-5.305,2.7) P3(-5.305,1.8) P4(-5.305,0.9) P5(-5.305,0) P6(-5.305,-0.9) P7(-5.305,-1.8) P8(-5.305,-2.7) P11(-2.7,-5.305) P12(-1.8,-5.305) P13(-0.9,-5.305) P14(0,-5.305) P15(0.9,-5.305) P16(1.8,-5.305) P17(2.7,-5.305) P20(5.305,-2.7) P21(5.305,-1.8) P22(5.305,-0.9) P23(5.305,0) P24(5.305,0.9) P25(5.305,1.8) P26(5.305,2.7) P29(2.7,5.305) P30(1.8,5.305) P31(0.9,5.305) P32(0,5.305) P33(-0.9,5.305) P34(-1.8,5.305) P35(-2.7,5.305)
  rect 1.1x0.65 smd: P10(-3.825,-5.305) P18(3.825,-5.305) P28(3.825,5.305) P36(-3.825,5.305)
MountingHole_3mm
  round 3 hole 3 unplated: (0,0)
Oscillator_SMD_Abracon_ASE-4Pin_3.2x2.5mm
  rect 1.3x1.1 smd: 1(-1.05,-0.825) 2(1.05,-0.825) 3(1.05,0.825) 4(-1.05,0.825)
Oscillator_SMD_ECS_2520MV-xxx-xx-4Pin_2.5x2.0mm
  rrect 0.8x0.9 smd: 1(-0.725,0.925) 2(-0.725,-0.925) 3(0.725,-0.925) 4(0.725,0.925)
PICKIT4_Header
  rect 1.7x1.7 hole 1: 1(0,0)
  oval 1.7x1.7 hole 1: 2(0,2.54) 3(0,5.08) 4(0,7.62) 5(0,10.16) 6(0,12.7) 7(0,15.24)
  round 1.7 hole 1: 8(0,17.78)
PinHeader_1x01_P2.54mm_Horizontal
  rect 1.7x1.7 hole 1: 1(0,0)
PinHeader_1x02_P2.54mm_Vertical
  rect 1.7x1.7 hole 1: 1(0,0)
  oval 1.7x1.7 hole 1: 2(0,-2.54)
PinSocket_1x05_P2.54mm_Vertical
  rect 1.7x1.7 hole 1: 1(0,0)
  oval 1.7x1.7 hole 1: 2(0,-2.54) 3(0,-5.08) 4(0,-7.62) 5(0,-10.16)
QFN-16-1EP_3x3mm_P0.5mm_EP1.75x1.75mm
  rrect 0.71x0.71 smd: (-0.44,-0.44) (-0.44,0.44) (0.44,-0.44) (0.44,0.44)
  rrect 0.775x0.25 smd: 1(-1.462,0.75) 2(-1.462,0.25) 3(-1.462,-0.25) 4(-1.462,-0.75) 9(1.462,-0.75) 10(1.462,-0.25) 11(1.462,0.25) 12(1.462,0.75)
  rrect 0.25x0.775 smd: 5(-0.75,-1.462) 6(-0.25,-1.462) 7(0.25,-1.462) 8(0.75,-1.462) 13(0.75,1.462) 14(0.25,1.462) 15(-0.25,1.462) 16(-0.75,1.462)
  rect 1.75x1.75 smd: 17(0,0)
QFN-24-1EP_4x5mm_Pitch0.5mm
  rect 0.7x0.25 smd: 1(-1.9,1.5) 2(-1.9,1) 3(-1.9,0.5) 4(-1.9,0) 5(-1.9,-0.5) 6(-1.9,-1) 7(-1.9,-1.5) 13(1.9,-1.5) 14(1.9,-1) 15(1.9,-0.5) 16(1.9,0) 17(1.9,0.5) 18(1.9,1) 19(1.9,1.5)
  rect 0.25x0.7 smd: 8(-1,-2.4) 9(-0.5,-2.4) 10(0,-2.4) 11(0.5,-2.4) 12(1,-2.4) 20(1,2.4) 21(0.5,2.4) 22(0,2.4) 23(-0.5,2.4) 24(-1,2.4)
  rect 1.325x1.825 smd: 25(-0.662,0.912) 25(-0.662,-0.912) 25(0.662,0.912) 25(0.662,-0.912)
QFN-28-1EP_4x4mm_P0.4mm_EP2.6x2.6mm
  rrect 1.05x1.05 smd: (-0.65,-0.65) (-0.65,0.65) (0.65,-0.65) (0.65,0.65)
  rrect 0.875x0.2 smd: 1(-1.938,1.2) 2(-1.938,0.8) 3(-1.938,0.4) 4(-1.938,0) 5(-1.938,-0.4) 6(-1.938,-0.8) 7(-1.938,-1.2) 15(1.938,-1.2) 16(1.938,-0.8) 17(1.938,-0.4) 18(1.938,0) 19(1.938,0.4) 20(1.938,0.8) 21(1.938,1.2)
  rrect 0.2x0.875 smd: 8(-1.2,-1.938) 9(-0.8,-1.938) 10(-0.4,-1.938) 11(0,-1.938) 12(0.4,-1.938) 13(0.8,-1.938) 14(1.2,-1.938) 22(1.2,1.938) 23(0.8,1.938) 24(0.4,1.938) 25(0,1.938) 26(-0.4,1.938) 27(-0.8,1.938) 28(-1.2,1.938)
  rect 2.6x2.6 smd: 29(0,0)
R_0402
  rect 0.4x0.6 smd: 1(-0.45,0) 2(0.45,0)
R_0612
  rect 0.8x3.2 smd: 1(-0.8,0) 2(0.8,0)
R_Array_Convex_8x0602
  rect 0.8x0.3 smd: 1(-0.9,1.75) 2(-0.9,1.25) 3(-0.9,0.75) 4(-0.9,0.25) 5(-0.9,-0.25) 6(-0.9,-0.75) 7(-0.9,-1.25) 8(-0.9,-1.75) 9(0.9,-1.75) 10(0.9,-1.25) 11(0.9,-0.75) 12(0.9,-0.25) 13(0.9,0.25) 14(0.9,0.75) 15(0.9,1.25) 16(0.9,1.75)
SOIC-8_3.9x4.9mm_Pitch1.27mm
  rect 1.55x0.6 smd: 1(-2.7,1.905) 2(-2.7,0.635) 3(-2.7,-0.635) 4(-2.7,-1.905) 5(2.7,-1.905) 6(2.7,-0.635) 7(2.7,0.635) 8(2.7,1.905)
SOIC-8_5.275x5.275mm_P1.27mm
  rrect 1.6x0.6 smd: 1(-3.6,1.905) 2(-3.6,0.635) 3(-3.6,-0.635) 4(-3.6,-1.905) 5(3.6,-1.905) 6(3.6,-0.635) 7(3.6,0.635) 8(3.6,1.905)
SOT-23
  rrect 1.475x0.6 smd: 1(-0.938,0.95) 2(-0.938,-0.95) 3(0.938,0)
SOT-23-6
  rect 1.06x0.65 smd: 1(-1.1,0.95) 2(-1.1,0) 3(-1.1,-0.95) 4(1.1,-0.95) 5(1.1,0) 6(1.1,0.95)
SOT-23-6#2
  rrect 1.325x0.6 smd: 1(-1.137,0.95) 2(-1.137,0) 3(-1.137,-0.95) 4(1.137,-0.95) 5(1.137,0) 6(1.137,0.95)
SOT-323_SC-70
  rrect 0.7x0.45 smd: 1(-1,0.65) 2(-1,-0.65) 3(1,0)
